# Altium PCB PCB.PcbDoc (part 5 of 5)
Units mm, origin at the board's own origin, x right, y up, seen from the top; angles counter-clockwise.
Board outline 68 x 45 mm, 4 copper layers (Component Side, Ground Layer, Power Layer, Solder Side), stack 0.856 mm thick; 113 components, 124 nets, 534 pads, 247 vias.
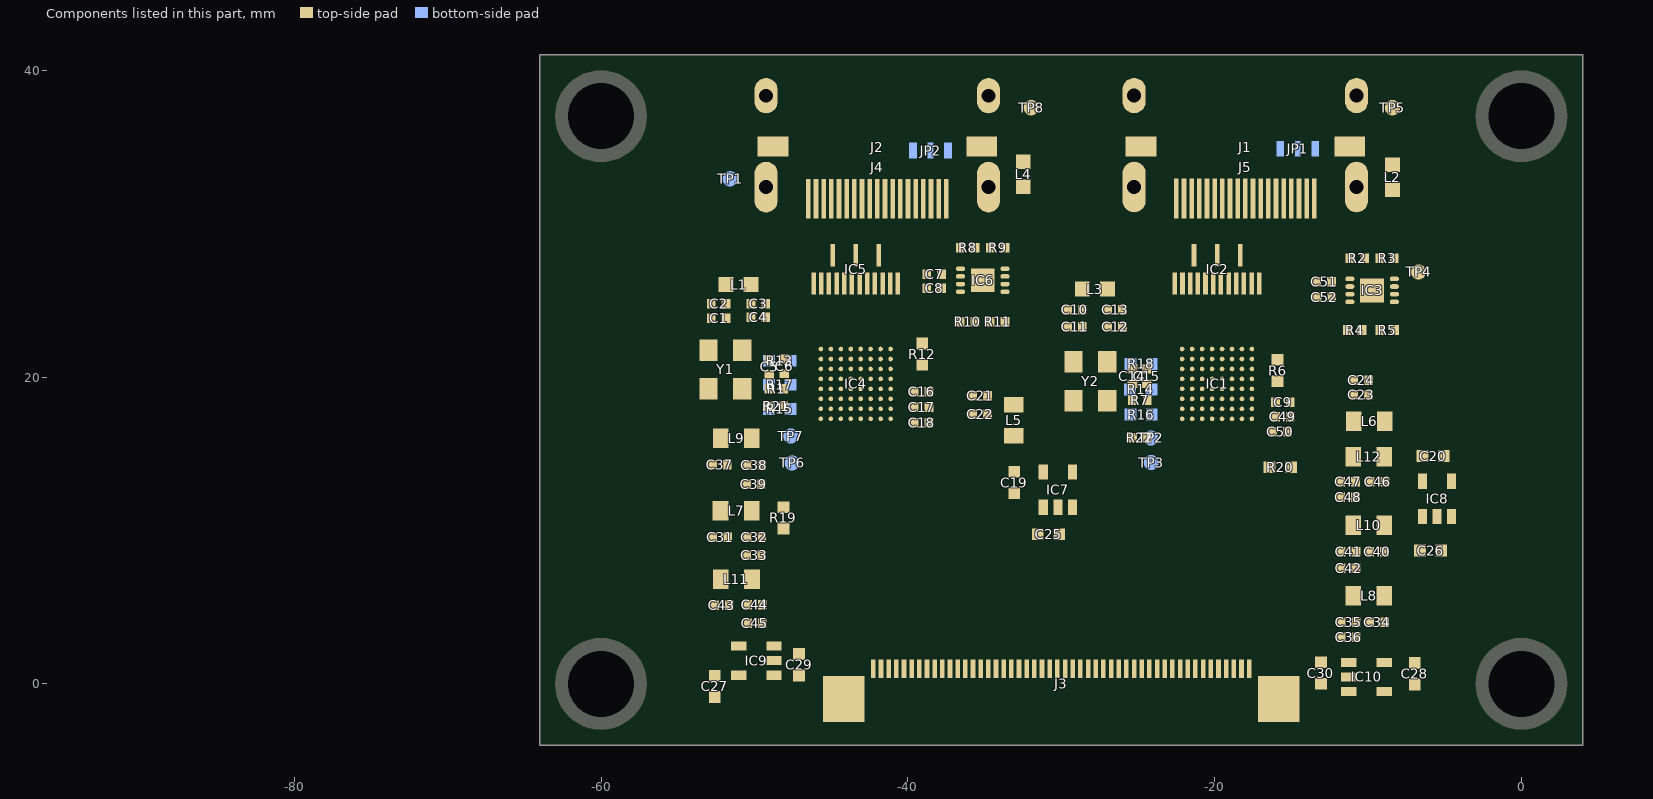
[diagram p7: the components of this part, seen from the top]

## Via types
v1: diameter 0.4, hole 0.15, Component Side to Solder Side, 247 vias

## Nets (pads, with @x,y where several pads share a name; then routed paths per layer and width w, separated by ;. In a path a pad name is that pad's centre, name@x,y a point inside that pad or via, vN(x,y) a via of type N, cw(c..) or ccw(c..) an arc to the next point about the centre after c; other vN are vias at no path point) (continued)
copper on no net: (continued)
  Component Side w0.009: -55.977,5.852 -55.977,6.21 ; -55.977,6.229 -55.977,6.366 ; -55.977,6.532 -55.977,6.679 ; -55.977,7.11 -55.977,7.441 ; -55.977,7.468 -55.977,7.606 ; -55.977,7.9 -55.977,8.065 ; -55.977,8.34 -55.977,8.497 ; -55.977,8.8 -55.977,9.158 ; -55.977,9.176 -55.977,9.314 ; -55.977,9.479 -55.977,9.617 ; -55.977,10.085 -55.977,10.498 ; -55.968,5.099 -55.968,5.246 ; -55.968,5.54 -55.968,5.678 ; -55.968,5.861 -55.968,6.201 ; -55.968,6.229 -55.968,6.366 ; -55.968,6.532 -55.968,6.679 ; -55.968,7.119 -55.968,7.431 ; -55.968,7.468 -55.968,7.606 ; -55.968,7.909 -55.968,8.056 ; -55.968,8.34 -55.968,8.497 ; -55.968,8.809 -55.968,9.148 ; -55.968,9.176 -55.968,9.314 ; -55.968,9.479 -55.968,9.617 ; -55.968,10.103 -55.968,10.48 ; -55.958,5.099 -55.958,5.246 ; -55.958,5.54 -55.958,5.678 ; -55.958,5.88 -55.958,6.201 ; -55.958,6.229 -55.958,6.366 ; -55.958,6.532 -55.958,6.679 ; -55.958,7.128 -55.958,7.413 ; -55.958,7.468 -55.958,7.606 ; -55.958,7.909 -55.958,8.056 ; -55.958,8.35 -55.958,8.497 ; -55.958,8.818 -55.958,9.139 ; -55.958,9.176 -55.958,9.314 ; -55.958,9.479 -55.958,9.617 ; -55.958,10.113 -55.958,10.471 ; -55.949,5.099 -55.949,5.246 ; -55.949,5.54 -55.949,5.678 ; -55.949,5.889 -55.949,6.192 ; -55.949,6.229 -55.949,6.366 ; -55.949,6.532 -55.949,6.679 ; -55.949,7.138 -55.949,7.404 ; -55.949,7.468 -55.949,7.606 ; -55.949,7.909 -55.949,8.056 ; -55.949,8.35 -55.949,8.487 ; -55.949,8.836 -55.949,9.13 ; -55.949,9.176 -55.949,9.314 ; -55.949,9.479 -55.949,9.617 ; -55.949,10.131 -55.949,10.452 ; -55.94,5.099 -55.94,5.246 ; -55.94,5.54 -55.94,5.678 ; -55.94,5.907 -55.94,6.174 ; -55.94,6.229 -55.94,6.366 ; -55.94,6.532 -55.94,6.679 ; -55.94,7.156 -55.94,7.386 ; -55.94,7.468 -55.94,7.606 ; -55.94,7.918 -55.94,8.056 ; -55.94,8.35 -55.94,8.487 ; -55.94,8.855 -55.94,9.121 ; -55.94,9.176 -55.94,9.314 ; -55.94,9.479 -55.94,9.617 ; -55.94,10.149 -55.94,10.434 ; -55.931,5.099 -55.931,5.246 ; -55.931,5.54 -55.931,5.678 ; -55.931,5.926 -55.931,6.155 ; -55.931,6.229 -55.931,6.366 ; -55.931,6.532 -55.931,6.679 ; -55.931,7.174 -55.931,7.367 ; -55.931,7.468 -55.931,7.606 ; -55.931,7.918 -55.931,8.047 ; -55.931,8.359 -55.931,8.487 ; -55.931,8.873 -55.931,9.103 ; -55.931,9.176 -55.931,9.314 ; -55.931,9.479 -55.931,9.617 ; -55.931,10.168 -55.931,10.406 ; -55.922,5.099 -55.922,5.246 ; -55.922,5.54 -55.922,5.678 ; -55.922,5.962 -55.922,6.128 ; -55.922,6.229 -55.922,6.366 ; -55.922,6.532 -55.922,6.679 ; -55.922,7.202 -55.922,7.34 ; -55.922,7.468 -55.922,7.606 ; -55.922,7.918 -55.922,8.047 ; -55.922,8.359 -55.922,8.487 ; -55.922,8.901 -55.922,9.075 ; -55.922,9.176 -55.922,9.314 ; -55.922,9.479 -55.922,9.617 ; -55.922,10.204 -55.922,10.379 ; -55.913,6.027 -55.913,6.063 ; -55.913,7.266 -55.913,7.285 ; -55.913,8.974 -55.913,9.002 ; -55.913,10.278 -55.913,10.305
  Component Side w0.105: 6.108,30.642 6.108,30.651
  Solder Side w0.105: -94.167,1.708 -94.159,1.708

## Polygon pours and split planes (outlines as drawn)
SHIELD on Component Side "SHIELD" (solid, pour order 46): -54.102,40.945 -54.102,30.124 -4.877,30.124 -4.877,40.919
no net on Component Side "AntmicroLogoT" (solid, pour order 55): 24 vertices, not listed, extent -62.285,22.106 -59.727,23.005
no net on Component Side "AntmicroLogoI" (solid, pour order 59): -59.746,26.292 -59.746,26.616 -61.729,26.616 -61.729,26.292
no net on Component Side "AntmicroLogoR" (solid, pour order 63): -59.746,28.445 -61.626,28.445 -61.728,28.741 -61.766,29.122 -61.762,29.229 -61.755,29.295 -61.512,29.222 -61.537,29.126 -61.546,29.019 -61.534,28.887 -61.494,28.769 -59.746,28.769
no net on Component Side "AntmicroLogoA" (solid, pour order 50): 34 vertices, not listed, extent -61.766,18.597 -59.708,20.011
no net on Component Side "AntmicroLogoN" (solid, pour order 52): 19 vertices, not listed, extent -61.766,20.446 -59.746,21.889
no net on Component Side "AntmicroLogoC" (solid, pour order 61): 39 vertices, not listed, extent -61.766,26.918 -59.708,28.132
no net on Component Side "AntmicroLogoO" (solid, pour order 65): 33 vertices, not listed, extent -61.766,29.342 -59.708,30.91
no net on Component Side "AntmicroLogo" (solid, pour order 45): 319 vertices, not listed, extent -63.601,13.002 -57.906,17.973
no net on Component Side "AntmicroLogo" (solid, pour order 48): 205 vertices, not listed, extent -93.059,10.994 -59.587,16.396
no net on Component Side "AntmicroLogoM" (solid, pour order 57): 113 vertices, not listed, extent -84.109,10.805 -59.742,25.857
no net on Top Solder "AntmicroLogoT" (solid, pour order 76): 24 vertices, not listed, extent -62.285,22.106 -59.727,23.005
no net on Top Solder "AntmicroLogoI" (solid, pour order 80): -59.746,26.292 -59.746,26.616 -61.729,26.616 -61.729,26.292
no net on Top Solder "AntmicroLogoR" (solid, pour order 84): -59.746,28.445 -61.626,28.445 -61.728,28.741 -61.766,29.122 -61.762,29.229 -61.755,29.295 -61.512,29.222 -61.537,29.126 -61.546,29.019 -61.534,28.887 -61.494,28.769 -59.746,28.769
no net on Top Solder "AntmicroLogoA" (solid, pour order 72): 34 vertices, not listed, extent -61.766,18.597 -59.708,20.011
no net on Top Solder "AntmicroLogoN" (solid, pour order 74): 19 vertices, not listed, extent -61.766,20.446 -59.746,21.889
no net on Top Solder "AntmicroLogoC" (solid, pour order 82): 39 vertices, not listed, extent -61.766,26.918 -59.708,28.132
no net on Top Solder "AntmicroLogoO" (solid, pour order 86): 33 vertices, not listed, extent -61.766,29.342 -59.708,30.91
no net on Top Solder "AntmicroLogo" (solid, pour order 68): 319 vertices, not listed, extent -63.601,13.002 -57.906,17.973
no net on Top Solder "AntmicroLogo" (solid, pour order 70): 205 vertices, not listed, extent -93.059,10.994 -59.587,16.396
no net on Top Solder "AntmicroLogoM" (solid, pour order 78): 113 vertices, not listed, extent -84.109,10.805 -59.742,25.857
CH2_AVDD12 on Power Layer "AVDD12" (solid, pour order 44): -30,41.178 -30,-3.987 3.948,-3.987 3.962,-4 3.908,-3.949 3.908,41.199
CH1_AVDD12 on Power Layer "Bottom Layer-No Net" (solid, pour order 54): -64,-4 -30,-4 -30,40.767 -30,41 -64,41
no net on Solder Side "AntmicroLogoM" (solid, pour order 58): 113 vertices, not listed, extent -6.414,13.709 12.275,21.58
no net on Solder Side "AntmicroLogo" (solid, pour order 49): 205 vertices, not listed, extent -6.619,21.834 24.465,29.069
no net on Solder Side "AntmicroLogo" (solid, pour order 47): 319 vertices, not listed, extent -8.908,24.446 -1.152,31.217
no net on Solder Side "AntmicroLogoO" (solid, pour order 66): 33 vertices, not listed, extent -6.41,6.827 -3.607,8.963
no net on Solder Side "AntmicroLogoC" (solid, pour order 62): 39 vertices, not listed, extent -6.41,10.609 -3.607,12.264
no net on Solder Side "AntmicroLogoN" (solid, pour order 53): 19 vertices, not listed, extent -6.41,19.113 -3.658,21.078
no net on Solder Side "AntmicroLogoA" (solid, pour order 51): 34 vertices, not listed, extent -6.41,21.671 -3.607,23.597
no net on Solder Side "AntmicroLogoR" (solid, pour order 64): -3.658,10.184 -6.219,10.184 -6.358,9.781 -6.41,9.262 -6.404,9.115 -6.395,9.026 -6.064,9.126 -6.098,9.256 -6.109,9.402 -6.093,9.582 -6.039,9.743 -3.658,9.743
no net on Solder Side "AntmicroLogoI" (solid, pour order 60): -3.658,13.116 -3.658,12.675 -6.36,12.675 -6.36,13.116
no net on Solder Side "AntmicroLogoT" (solid, pour order 56): 24 vertices, not listed, extent -7.117,17.594 -3.632,18.817
no net on Bottom Solder "AntmicroLogoM" (solid, pour order 78): 113 vertices, not listed, extent -6.414,13.709 12.275,21.58
no net on Bottom Solder "AntmicroLogo" (solid, pour order 70): 205 vertices, not listed, extent -6.619,21.834 24.465,29.069
no net on Bottom Solder "AntmicroLogo" (solid, pour order 68): 319 vertices, not listed, extent -8.908,24.446 -1.152,31.217
no net on Bottom Solder "AntmicroLogoO" (solid, pour order 86): 33 vertices, not listed, extent -6.41,6.827 -3.607,8.963
no net on Bottom Solder "AntmicroLogoC" (solid, pour order 82): 39 vertices, not listed, extent -6.41,10.609 -3.607,12.264
no net on Bottom Solder "AntmicroLogoN" (solid, pour order 74): 19 vertices, not listed, extent -6.41,19.113 -3.658,21.078
no net on Bottom Solder "AntmicroLogoA" (solid, pour order 72): 34 vertices, not listed, extent -6.41,21.671 -3.607,23.597
no net on Bottom Solder "AntmicroLogoR" (solid, pour order 84): -3.658,10.184 -6.219,10.184 -6.358,9.781 -6.41,9.262 -6.404,9.115 -6.395,9.026 -6.064,9.126 -6.098,9.256 -6.109,9.402 -6.093,9.582 -6.039,9.743 -3.658,9.743
no net on Bottom Solder "AntmicroLogoI" (solid, pour order 80): -3.658,13.116 -3.658,12.675 -6.36,12.675 -6.36,13.116
no net on Bottom Solder "AntmicroLogoT" (solid, pour order 76): 24 vertices, not listed, extent -7.117,17.594 -3.632,18.817
GND on Ground Layer (split plane): 3.699,-3.699 -63.699,-3.699 -63.699,40.699 3.699,40.699

## Keep-outs
Keep-Out Layer:
  the board outline again, w0.254

## Other copper
Component Side:
  pour cut-out: -60.137,18.937 -60.316,18.906 -60.541,18.961 -60.699,19.118 -60.803,19.37 -60.865,19.708 -59.963,19.708 -59.935,19.642 -59.914,19.563 -59.901,19.474 -59.896,19.381 -59.924,19.176 -60.005,19.028
  pour cut-out: -60.293,29.72 -60.432,29.689 -60.584,29.671 -60.747,29.665 -60.908,29.671 -61.06,29.689 -61.198,29.72 -61.319,29.766 -61.419,29.828 -61.495,29.908 -61.544,30.007 -61.56,30.126 -61.544,30.245 -61.495,30.344 -61.419,30.423 -61.319,30.486 -61.198,30.532 -61.06,30.563 -60.908,30.58 -60.747,30.586 -60.584,30.58 -60.432,30.563 -60.293,30.532 -60.17,30.486 -60.069,30.423 -59.992,30.344 -59.943,30.245 -59.926,30.126 -59.943,30.007 -59.992,29.908 -60.069,29.828 -60.17,29.766
  pour cut-out: -61.334,14.841 cw(c-61.412,14.841) -61.412,14.762 cw(c-61.412,14.841) -61.491,14.841 cw(c-61.412,14.841) -61.412,14.919 cw(c-61.412,14.841)
  pour cut-out: -60.675,14.743 cw(c-60.753,14.743) -60.753,14.664 cw(c-60.753,14.743) -60.832,14.743 cw(c-60.753,14.743) -60.753,14.821 cw(c-60.753,14.743)
  pour cut-out: -60.016,14.841 cw(c-60.095,14.841) -60.095,14.762 cw(c-60.095,14.841) -60.173,14.841 cw(c-60.095,14.841) -60.095,14.919 cw(c-60.095,14.841)
  pour cut-out: -60.675,16.232 cw(c-60.753,16.232) -60.753,16.153 cw(c-60.753,16.232) -60.832,16.232 cw(c-60.753,16.232) -60.753,16.311 cw(c-60.753,16.232)
  pour cut-out: -61.334,16.134 cw(c-61.412,16.134) -61.412,16.056 cw(c-61.412,16.134) -61.491,16.134 cw(c-61.412,16.134) -61.412,16.213 cw(c-61.412,16.134)
  pour cut-out: -60.095,16.056 ccw(c-60.095,16.134) -60.016,16.134 ccw(c-60.095,16.134) -60.095,16.213 ccw(c-60.095,16.134) -60.173,16.134 ccw(c-60.095,16.134)
  pour cut-out: -59.662,15.488 cw(c-59.816,15.488) -59.816,15.333 cw(c-59.816,15.488) -59.971,15.488 cw(c-59.816,15.488) -59.816,15.642 cw(c-59.816,15.488)
  pour cut-out: -61.536,15.488 cw(c-61.69,15.488) -61.69,15.333 cw(c-61.69,15.488) -61.845,15.488 cw(c-61.69,15.488) -61.69,15.642 cw(c-61.69,15.488)
  text "i" at 2.253,35.531 h2.86
  text "Rev.1.2.1    11/2020" at -55.855,18.644 h1.52 r90
  text "HDMI MIPI Bridge" at -57.582,18.593 h2.03 r90
Solder Side:
  pour cut-out: -4.403,8.448 -4.593,8.49 -4.8,8.514 -5.021,8.522 -5.242,8.514 -5.448,8.49 -5.636,8.448 -5.801,8.385 -5.938,8.3 -6.041,8.192 -6.107,8.057 -6.129,7.895 -6.107,7.733 -6.041,7.598 -5.938,7.489 -5.801,7.405 -5.636,7.342 -5.448,7.3 -5.242,7.276 -5.021,7.268 -4.8,7.276 -4.593,7.3 -4.403,7.342 -4.236,7.405 -4.098,7.489 -3.993,7.598 -3.927,7.733 -3.903,7.895 -3.927,8.057 -3.993,8.192 -4.098,8.3 -4.236,8.385
  pour cut-out: -4.191,23.134 -4.435,23.176 -4.741,23.102 -4.957,22.887 -5.098,22.543 -5.182,22.083 -3.953,22.083 -3.916,22.173 -3.888,22.281 -3.87,22.402 -3.863,22.529 -3.901,22.808 -4.011,23.01
  pour cut-out: -6.097,27.832 ccw(c-6.307,27.832) -6.307,28.042 ccw(c-6.307,27.832) -6.517,27.832 ccw(c-6.307,27.832) -6.307,27.622 ccw(c-6.307,27.832)
  pour cut-out: -3.544,27.832 ccw(c-3.754,27.832) -3.754,28.042 ccw(c-3.754,27.832) -3.964,27.832 ccw(c-3.754,27.832) -3.754,27.622 ccw(c-3.754,27.832)
  pour cut-out: -4.133,27.058 cw(c-4.133,26.951) -4.026,26.951 cw(c-4.133,26.951) -4.133,26.844 cw(c-4.133,26.951) -4.24,26.951 cw(c-4.133,26.951)
  pour cut-out: -5.821,26.951 ccw(c-5.928,26.951) -5.928,27.058 ccw(c-5.928,26.951) -6.035,26.951 ccw(c-5.928,26.951) -5.928,26.844 ccw(c-5.928,26.951)
  pour cut-out: -4.923,26.817 ccw(c-5.031,26.817) -5.031,26.925 ccw(c-5.031,26.817) -5.138,26.817 ccw(c-5.031,26.817) -5.031,26.71 ccw(c-5.031,26.817)
  pour cut-out: -4.026,28.713 ccw(c-4.133,28.713) -4.133,28.82 ccw(c-4.133,28.713) -4.24,28.713 ccw(c-4.133,28.713) -4.133,28.606 ccw(c-4.133,28.713)
  pour cut-out: -4.923,28.846 ccw(c-5.031,28.846) -5.031,28.954 ccw(c-5.031,28.846) -5.138,28.846 ccw(c-5.031,28.846) -5.031,28.739 ccw(c-5.031,28.846)
  pour cut-out: -5.821,28.713 ccw(c-5.928,28.713) -5.928,28.82 ccw(c-5.928,28.713) -6.035,28.713 ccw(c-5.928,28.713) -5.928,28.606 ccw(c-5.928,28.713)
  text "HDMI MIPI Bridge" at -0.883,23.892 h2.38 r90
  text "Rev.1.2.1    11/2020" at 1.458,23.892 h2.38 r90

## Silkscreen, mask and mechanical layers (free items; w line width, h text height)
Top Solder:
  drawing of 3327 lines, arcs and shapes, not listed
  text "Rev.1.2.1    11/2020" at -55.855,18.644 h1.52 r90
  text "HDMI MIPI Bridge" at -57.582,18.593 h2.03 r90
Bottom Solder:
  pour cut-out: -4.403,8.448 -4.593,8.49 -4.8,8.514 -5.021,8.522 -5.242,8.514 -5.448,8.49 -5.636,8.448 -5.801,8.385 -5.938,8.3 -6.041,8.192 -6.107,8.057 -6.129,7.895 -6.107,7.733 -6.041,7.598 -5.938,7.489 -5.801,7.405 -5.636,7.342 -5.448,7.3 -5.242,7.276 -5.021,7.268 -4.8,7.276 -4.593,7.3 -4.403,7.342 -4.236,7.405 -4.098,7.489 -3.993,7.598 -3.927,7.733 -3.903,7.895 -3.927,8.057 -3.993,8.192 -4.098,8.3 -4.236,8.385
  pour cut-out: -4.191,23.134 -4.435,23.176 -4.741,23.102 -4.957,22.887 -5.098,22.543 -5.182,22.083 -3.953,22.083 -3.916,22.173 -3.888,22.281 -3.87,22.402 -3.863,22.529 -3.901,22.808 -4.011,23.01
  pour cut-out: -6.097,27.832 ccw(c-6.307,27.832) -6.307,28.042 ccw(c-6.307,27.832) -6.517,27.832 ccw(c-6.307,27.832) -6.307,27.622 ccw(c-6.307,27.832)
  pour cut-out: -3.544,27.832 ccw(c-3.754,27.832) -3.754,28.042 ccw(c-3.754,27.832) -3.964,27.832 ccw(c-3.754,27.832) -3.754,27.622 ccw(c-3.754,27.832)
  pour cut-out: -4.133,27.058 cw(c-4.133,26.951) -4.026,26.951 cw(c-4.133,26.951) -4.133,26.844 cw(c-4.133,26.951) -4.24,26.951 cw(c-4.133,26.951)
  pour cut-out: -5.821,26.951 ccw(c-5.928,26.951) -5.928,27.058 ccw(c-5.928,26.951) -6.035,26.951 ccw(c-5.928,26.951) -5.928,26.844 ccw(c-5.928,26.951)
  pour cut-out: -4.923,26.817 ccw(c-5.031,26.817) -5.031,26.925 ccw(c-5.031,26.817) -5.138,26.817 ccw(c-5.031,26.817) -5.031,26.71 ccw(c-5.031,26.817)
  pour cut-out: -4.026,28.713 ccw(c-4.133,28.713) -4.133,28.82 ccw(c-4.133,28.713) -4.24,28.713 ccw(c-4.133,28.713) -4.133,28.606 ccw(c-4.133,28.713)
  pour cut-out: -4.923,28.846 ccw(c-5.031,28.846) -5.031,28.954 ccw(c-5.031,28.846) -5.138,28.846 ccw(c-5.031,28.846) -5.031,28.739 ccw(c-5.031,28.846)
  pour cut-out: -5.821,28.713 ccw(c-5.928,28.713) -5.928,28.82 ccw(c-5.928,28.713) -6.035,28.713 ccw(c-5.928,28.713) -5.928,28.606 ccw(c-5.928,28.713)
  text "HDMI MIPI Bridge" at -0.883,23.892 h2.38 r90
  text "Rev.1.2.1    11/2020" at 1.458,23.892 h2.38 r90
Mechanical 1:
  the board outline again, w0.3
Mechanical 2:
  drawing of 347 lines, arcs and shapes, not listed
  text "Layer" at 26.063,34.265 h1.52
  text "Name" at 36.474,34.265 h1.52
  text "Material" at 60.344,34.265 h1.52
  text "Thickness" at 82.182,34.265 h1.52
  text "Constant" at 98.688,34.265 h1.52
  text "Board Layer Stack" at 113.162,34.265 h1.52
  text "1" at 26.063,31.217 h1.52
  text "Top Paste" at 36.474,31.217 h1.52
  text "2" at 26.063,28.169 h1.52
  text "Top Overlay" at 36.474,28.169 h1.52
  text "3" at 26.063,25.121 h1.52
  text "Top Solder" at 36.474,25.121 h1.52
  text "Solder Resist" at 60.344,25.121 h1.52
  text "0.010mm" at 82.182,25.121 h1.52
  text "3.5" at 98.688,25.121 h1.52
  text "4" at 26.063,22.073 h1.52
  text "Component Side" at 36.474,22.073 h1.52
  text "Copper" at 60.344,22.073 h1.52
  text "0.036mm" at 82.182,22.073 h1.52
  text "5" at 26.063,19.025 h1.52
  text "Dielectric 1" at 36.474,19.025 h1.52
  text "0.254mm" at 82.182,19.025 h1.52
  text "4.2" at 98.688,19.025 h1.52
  text "6" at 26.063,15.977 h1.52
  text "Ground Layer" at 36.474,15.977 h1.52
  text "Copper" at 60.344,15.977 h1.52
  text "0.018mm" at 82.182,15.977 h1.52
  text "7" at 26.063,12.929 h1.52
  text "Dielectric 3" at 36.474,12.929 h1.52
  text "0.240mm" at 82.182,12.929 h1.52
  text "4.2" at 98.688,12.929 h1.52
  text "8" at 26.063,9.881 h1.52
  text "Power Layer" at 36.474,9.881 h1.52
  text "Copper" at 60.344,9.881 h1.52
  text "0.018mm" at 82.182,9.881 h1.52
  text "9" at 26.063,6.833 h1.52
  text "Dielectric 6" at 36.474,6.833 h1.52
  text "0.254mm" at 82.182,6.833 h1.52
  text "4.2" at 98.688,6.833 h1.52
  text "10" at 26.063,3.785 h1.52
  text "Solder Side" at 36.474,3.785 h1.52
  text "Copper" at 60.344,3.785 h1.52
  text "0.036mm" at 82.182,3.785 h1.52
  text "11" at 26.063,0.737 h1.52
  text "Bottom Solder" at 36.474,0.737 h1.52
  text "Solder Resist" at 60.344,0.737 h1.52
  text "0.010mm" at 82.182,0.737 h1.52
  text "3.5" at 98.688,0.737 h1.52
  text "12" at 26.063,-2.311 h1.52
  text "Bottom Overlay" at 36.474,-2.311 h1.52
  text "13" at 26.063,-5.359 h1.52
  text "Bottom Paste" at 36.474,-5.359 h1.52

## Text inside footprints (layer, text, board x,y; h text height)
J1: Mechanical 17 "PCB Edge" at -15.247,41.188 h0.76 r180; Mechanical 17 "Panel wall (front face)" at -10.147,44.188 h0.76 r180; Mechanical 3 "Typical plug (20mm)" at -10.947,46.388 h0.76 r180
J2: Mechanical 17 "PCB Edge" at -39.237,41.178 h0.76 r180; Mechanical 17 "Panel wall (front face)" at -34.137,44.178 h0.76 r180; Mechanical 3 "Typical plug (20mm)" at -34.937,46.378 h0.76 r180
J3: Top Overlay "1" at -16.967,2.311 h0.9; Top Overlay "50" at -45.568,2.388 h0.9